# KiCad board 2 - CPU and core components (Rev 3).kicad_pcb (continued)
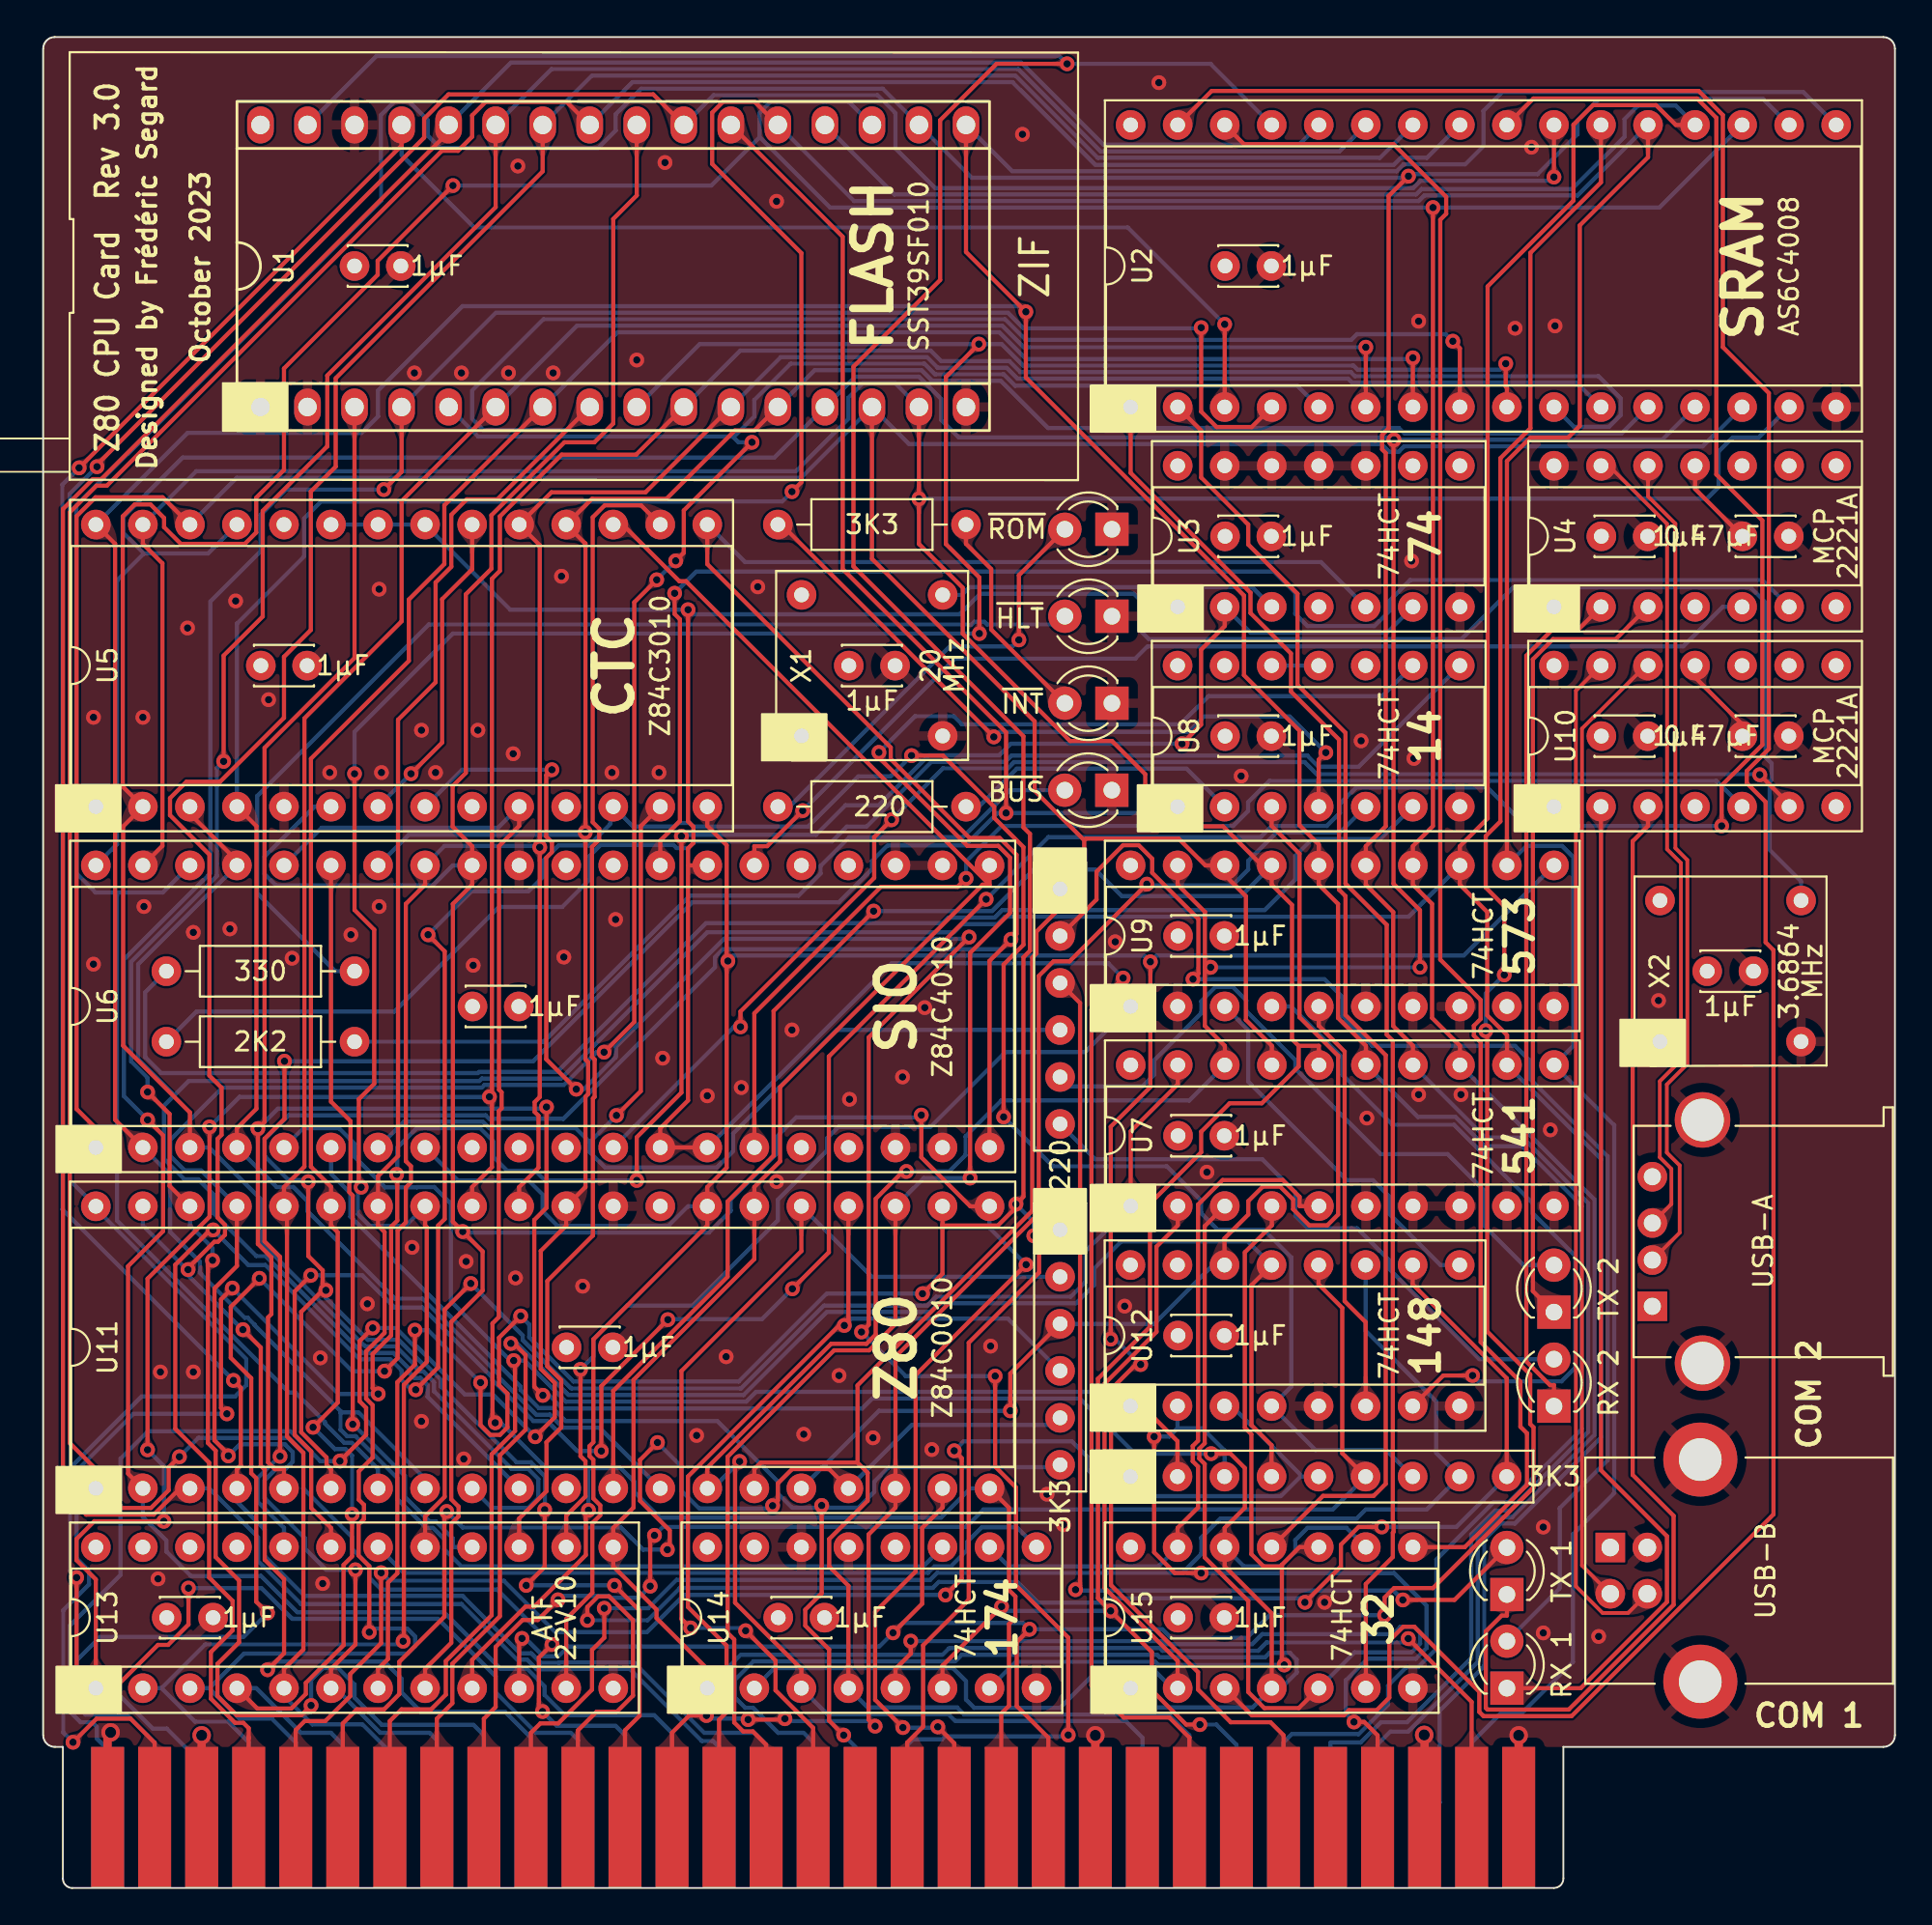
[diagram p0: board, top side]
## Routing (per net, layer and track width the routed paths; a pad name or vN(x,y) marks a point on that pad's centre or on a via; arc(x,y) is an arc through that point) (continued)
A15: length 209.1
  Top w0.225: v2(27.18,42.19) 27.18,36.75 26.52,36.09 26.52,27.08 v2(26.98,26.61) ; U11.5 13,22.63 12.51,22.63 12.15,22.99 12.15,30.83 12.32,31.01 12.32,34.07 11.6,34.8 v2(11.6,41.02) 11.96,41.38 11.96,61.59 16.81,66.45 U1.3 ; U15.4 66.34,14.84 63.8,17.38 U15.12 63.8,19.45 64.89,20.54 64.89,22.69 64.11,23.47 v2(63.07,23.47)
  Bottom w0.225: U15.12 64.84,17.38 66.81,17.38 67.61,18.18 67.61,18.8 68.27,19.45 70.39,19.45 U15.9 ; U15.1 59.76,9.76 65.31,9.76 U15.4 66.85,10.79 67.7,11.64 67.7,12.33 67.33,12.7 66.22,12.7 65.98,12.46 60.3,12.46 60.16,12.6 49.61,12.6 49.26,12.25 38.36,12.25 37.35,11.24 37.35,10.3 37.91,9.74 38.33,9.74 39.69,8.38 41.07,8.38 41.58,7.87 J3.16 ; v2(26.98,26.61) 27.32,26.61 28.04,25.9 44.23,25.9 44.77,26.44 55.98,26.44 58.96,23.47 v2(63.07,23.47) ; v2(11.6,41.02) 12.67,42.1 27.09,42.1 v2(27.18,42.19)
BA15: length 149.6
  Top w0.225: U15.3 65.27,9.33 70.24,9.33 70.52,9.61 72.02,9.61 72.69,10.29 72.69,13.36 73.45,14.11 74.04,14.11 77.55,10.6 77.55,9.51 77.78,9.29 82.54,9.29 93.44,20.19 93.44,50.67 93.01,51.09 93.01,58.67 92,59.69 92,60.35 93.19,61.54 93.19,80.76 90.71,83.25 90.71,95.78 89.4,97.09 63.1,97.09 U2.31
BA16: length 74.7
  Top w0.225: U15.6 71.42,16.42 72.88,17.88 72.88,19.2 72.93,19.24 72.93,19.77 72.88,19.81 72.88,45.77 72.55,46.1 72.55,52.03 70.33,54.26 70.33,62.41 67.74,65 67.74,69.92 65.07,72.58 65.07,73.66 62.53,76.2 62.53,78.74 U2.2
BA17: length 93.1
  Top w0.225: U15.8 76.77,18.41 80.13,21.77 80.13,24.57 79.77,24.92 79.77,27.35 77.63,29.5 77.63,45.69 77.26,46.05 77.26,46.58 77.63,46.95 77.63,47.97 75.45,50.15 75.45,90.13 75.76,90.45 75.76,91.36 72.92,94.21 64.84,94.21 U2.30
BA18: length 71.5
  Top w0.225: U2.1 58.72,76.45 65.2,69.98 65.2,68.88 67.38,66.69 67.38,64.63 69.98,62.04 69.98,53.94 70.33,53.59 70.33,47.16 72.5,44.99 72.5,21.84 71.85,21.19 69.11,21.19 U15.11
BUS_IEO: length 69.3
  Top w0.225: v2(42.04,20.67) 42.04,15.92 41.16,15.04 41.16,14.17 42.44,12.89 42.44,9.04 v2(43.23,8.25)
  Bottom w0.225: 42.04,20.54 40.45,20.54 39.68,21.32 39.68,21.95 36.41,25.22 28.22,25.22 27.51,25.93 26.77,25.93 25.78,26.91 25.78,27.08 16.58,36.28 16.58,37.54 15.54,38.58 U6.6 ; 42.04,20.54 v2(42.04,20.67) ; 42.04,20.54 44.03,20.54 44.88,21.4 44.88,21.94 45.67,22.73 54.79,22.73 RN2.6 ; J3.15 44.12,7.37 v2(43.23,8.25)
CLK: length 187.8
  Top w0.225: v2(14.32,38.16) 14.32,34.14 15.09,33.36 15.09,32.29 ; U11.6 15.54,22.63 15.3,22.87 15.3,23.26 13.94,24.62 13.94,31.13 15.09,32.29 ; J3.51 31.42,8.52 32.2,9.3 32.2,14.99 v2(30.85,16.35) ; v2(26.09,16.35) 27.08,17.35 v2(27.08,20.44) ; U6.20 51.1,50.09 v2(52.26,51.25) 52.57,51.55 52.57,55.81 51.65,56.73 50.03,56.73 45.77,60.98 45.77,61.62 35.86,71.52 U5.15 ; 15.09,32.29 v2(15.27,32.29)
  Bottom w0.225: v2(27.08,20.44) 27.1,20.45 27.1,22.24 26.34,23 25.56,23 21.46,27.1 21.46,27.47 20.66,28.28 20.53,28.28 19.19,29.62 17.53,29.62 15.27,31.88 v2(15.27,32.29) ; U5.15 35.88,73.66 37.9,71.63 69.01,71.63 U3.5 ; v2(14.32,38.16) 14.23,38.24 13.27,38.24 11.96,39.54 11.96,40.46 13.26,41.75 23.89,41.75 24.09,41.55 28.09,41.55 36.28,49.74 36.28,50.29 36.71,50.72 51.74,50.72 v2(52.26,51.25) ; v2(30.85,16.35) v2(26.09,16.35)
CLK2: length 210.5
  Top w0.225: U6.27 34.83,55.24 ; 34.83,55.24 34.83,42.54 33.32,41.04 U6.13 U6.14 ; 34.83,55.24 34.83,56.17 35.11,56.46 35.11,57.33 34.83,57.62 v2(34.83,69.06) ; J3.39 61.9,8.12 60.81,9.21 58.35,9.21 56.61,10.95 56.61,47.45 v2(58.32,49.16)
  Bottom w0.225: U5.23 U5.22 U5.21 25.22,69.06 v2(34.83,69.06) 35.08,68.81 49.48,68.81 50.6,69.92 58.91,69.92 59.36,69.47 59.36,67.82 59.71,67.47 76.59,67.47 79.39,70.27 92.19,70.27 93.01,69.45 93.01,61.09 93.34,60.76 93.34,59.88 93.23,59.78 93.23,56.09 94.93,54.39 X2.5 ; v2(58.32,49.16) 57.53,49.95 45.81,49.95 U6.14
CTC_IEI: length 62.1
  Top w0.225: U5.13 32.27,57.37 32.27,43.05 v2(30.96,41.74)
  Bottom w0.225: U6.7 19.48,41.4 23.75,41.4 24.1,41.04 28.76,41.04 29.51,40.29 ; 29.51,40.29 29.51,39.76 30.35,38.92 36.38,38.92 37.26,39.8 37.26,40.76 42.85,46.35 RN1.4 ; 29.51,40.29 v2(30.96,41.74)
CTCLK: length 116.7
  Top w0.225: v2(27.47,60.41) 27.17,60.11 27.17,56.8 27.47,56.5 27.47,55.96 27.17,55.66 27.17,44.78 v2(28.79,43.16) ; v2(50,51.38) 44.58,45.96 44.58,30.43 v2(44.19,30.04) ; v2(55.36,8.26) 55.36,13.53 52.53,16.35 52.53,21.64 51.41,22.77 v2(51.41,27.66)
  Bottom w0.225: v2(55.36,8.26) 55.28,8.19 48.7,8.19 48.54,8.03 46.97,8.03 46.66,7.72 J3.14 ; v2(28.79,43.16) 29.2,43.16 30.93,44.89 30.93,45.44 36.77,51.28 49.91,51.28 v2(50,51.38) ; U5.8 22.62,60.41 v2(27.47,60.41) ; v2(44.19,30.04) 46.57,27.66 v2(51.41,27.66)
D0: length 252.4
  Top w0.225: U9.19 61.26,54.21 62.74,52.73 62.74,49.74 ; U14.3 40.94,11.83 37.36,15.41 37.36,22.8 v2(37.61,23.04) ; 62.74,49.74 v2(63.05,49.74) ; 62.74,49.74 62.74,46.57 63.81,45.5 U7.18 ; U11.14 35.86,22.71 42.55,29.4 44.46,29.4 44.96,29.9 44.96,37.23 46.44,38.71 v2(46.62,38.71) ; v2(74.35,49.74) 74.35,52.82 72.92,54.25 72.92,78.21 v2(72.95,78.24)
  Bottom w0.225: v2(63.05,49.74) v2(74.35,49.74) ; U7.18 61.89,42.54 51.74,42.54 49.81,40.61 49.81,39.6 48.92,38.71 v2(46.62,38.71) ; U14.3 42.36,9.38 48.89,9.38 49.25,9.02 58.46,9.02 59.36,8.12 J3.9 ; U5.25 8.9,72.1 5.44,72.1 ; 5.44,72.1 4.32,73.22 4.32,74.07 7.54,77.28 39.49,77.28 U1.13 43.85,81.65 47.29,81.65 48.5,80.45 48.5,79.31 49.44,78.37 72.82,78.37 v2(72.95,78.24) 87.43,78.24 U2.13 ; 5.44,72.1 3.99,70.64 3.99,56.39 U6.40 ; U11.14 36.16,21.59 v2(37.61,23.04)
D1: length 262.2
  Top w0.225: U9.18 63.28,55.24 ; 63.28,55.24 64.95,53.58 64.95,46.9 66.35,45.5 U7.17 ; 63.28,55.24 62.77,55.24 61.32,56.69 56.31,56.69 56.22,56.6 ; U5.26 6.45,75.13 2.83,75.13 1.81,74.11 1.81,42.08 2.84,41.04 U6.1 ; 56.22,56.6 56.22,53.34 55.81,52.94 54.9,52.94 53.64,51.67 53.64,50.49 53.41,50.26 53.41,36.59 43.98,27.15 43.98,22.98 ; 56.22,56.6 53.54,59.28 53.54,63.02 44.75,71.81 U1.14 ; U14.4 43.48,16.33 42.45,17.37 42.45,18.85 44.52,20.93 44.52,22.43 43.98,22.98 ; 43.98,22.98 38.76,22.98 38.4,22.63 U11.15
  Bottom w0.225: U14.4 44.52,9.76 49.35,9.76 49.73,9.37 60.78,9.37 61.9,8.25 J3.8 ; U5.26 10.45,76.19 40.93,76.19 U1.14 46.75,78.01 72.26,78.01 72.68,77.6 73.21,77.6 73.5,77.89 89.62,77.89 U2.14
D2: length 288.3
  Top w0.225: v2(44.85,52.78) 39.44,47.38 39.44,39.57 36.96,37.09 36.96,33.03 30.78,26.85 U11.12 ; U14.6 48.56,12.01 v2(51.76,15.21) ; 66.34,54.73 66.34,54.21 67.44,53.11 67.44,45.86 67.8,45.5 ; 66.34,54.73 U9.17 ; 66.34,54.73 63.72,57.35 60.39,57.35 59.52,58.23 59.52,60.17 57.72,61.97 55.46,61.97 49.66,67.76 49.66,70.25 47.29,72.61 v2(47.29,75.05) U1.15 ; U6.39 6.44,56.3 6.44,71.57 5.38,72.62 U5.27 ; 67.8,45.5 68.89,45.5 U7.16 ; 67.8,45.5 67.8,44.38 65.81,42.39 64.07,42.39 62.53,40.86 62.53,39.75 59.77,36.98 59.77,30.32 56.96,27.51 56.96,15.65 v2(57.65,14.97) 59.87,12.74 59.87,10.68 61.73,8.83 v2(62.47,8.83)
  Bottom w0.225: J3.7 64.44,7.74 63.35,8.83 v2(62.47,8.83) ; U9.17 64.69,53.59 58.25,53.59 56.83,55.01 53.48,55.01 51.24,52.78 v2(44.85,52.78) ; v2(47.29,75.05) 89.83,75.05 90.47,75.69 90.47,77.6 91.24,78.36 92.63,78.36 U2.15 ; U1.15 46.01,81.3 44.26,81.3 43.48,80.52 43.48,79.38 40.65,76.54 8.27,76.54 U5.27 ; v2(51.76,15.21) 52,14.97 v2(57.65,14.97)
D3: length 322.9
  Top w0.225: U1.17 49.83,88.39 v2(53.07,85.15) 53.07,81.6 64.84,69.83 64.84,65.52 67.84,62.53 67.84,57.42 68.88,56.38 U9.16 68.88,54.21 69.92,53.17 69.92,47 71.43,45.5 U7.15 ; U5.28 3.88,72.62 3.88,41.51 U6.2
  Bottom w0.225: U6.2 6.86,38.53 6.86,35.44 8.46,33.84 8.46,33.24 10.9,30.8 11.05,30.8 11.43,30.43 11.43,30.4 16.06,25.77 16.06,25.69 ; v2(53.07,85.15) 52.76,85.46 22.65,85.46 18.08,80.9 18.08,79.5 17.2,78.61 7.8,78.61 U5.28 ; U7.15 74.23,41.66 76.27,41.66 77.85,40.08 79.86,40.08 83.08,36.86 83.08,24.78 79.13,20.83 78.32,20.83 75.24,17.75 75.24,12.92 74.25,11.93 73.63,11.93 72.63,10.93 72.63,9.9 71.04,8.31 67.43,8.31 66.98,7.86 J3.6 ; 16.06,25.69 16.06,24.76 16.41,24.41 16.87,24.41 19.12,22.15 19.12,21.01 20.68,19.45 21.06,19.45 21.66,18.85 21.66,18.29 22.58,17.37 47.52,17.37 U14.11 ; 16.06,25.69 17.03,25.69 20.62,22.1 U11.8 ; U2.17 95.05,97.02 78.79,97.02 77.77,96.01 77.77,94.11 76.79,93.12 73.46,93.12 73.09,92.75 52.34,92.75 U1.17
D4: length 282.8
  Top w0.225: U7.14 73.97,45.5 72.91,46.56 72.91,52.72 71.42,54.21 U9.15 71.42,56.28 72.5,57.36 72.5,77.52 72.31,77.72 72.31,78.5 72.66,78.85 72.66,91.41 v2(73.73,92.48)
  Bottom w0.225: 3.85,53.78 6.46,53.78 U6.38 ; 3.85,53.78 2.83,53.78 1.8,54.81 1.8,57.38 U5.1 1.79,59.47 1.79,74.7 18.25,91.16 18.25,95.79 18.96,96.5 19.77,96.5 20.77,95.5 20.77,94.68 21.43,94.01 29.98,94.01 30.92,94.95 30.92,95.83 32.3,97.21 45.34,97.21 U1.18 50.15,92.4 73.64,92.4 v2(73.73,92.48) 73.83,92.59 80.7,92.59 82.85,94.74 82.85,95.49 84.02,96.66 92.88,96.66 U2.18 ; 3.85,53.78 3.99,53.64 3.99,36.06 13.28,26.76 13.63,26.76 15.22,25.18 15.22,25.1 16.26,24.06 16.66,24.06 18.08,22.63 U11.7 ; J3.5 69.52,7.86 71.15,7.86 72.24,8.95 73.65,8.95 77.12,12.42 77.12,19.1 78.41,20.39 79.19,20.39 83.43,24.64 83.43,37 79.88,40.55 77.88,40.55 73.97,44.46 U7.14
D5: length 284.3
  Top w0.225: U6.3 7.92,41.9 4.32,45.5 4.32,57.36 U5.2 4.3,59.51 4.3,74.1 4.94,74.75 5.8,74.75 6.53,74.01 6.53,73.52 7.43,72.62 10.89,72.62 11.5,73.23 11.5,75.11 13,76.61 13,82.09 18.06,87.15 18.06,87.91 v2(22.13,91.98) ; v2(75.05,90.79) 75.05,57.37 73.96,56.28 U9.14 73.96,54.21 75,53.17 75,47 76.51,45.5 U7.13
  Bottom w0.225: U11.9 24.22,20.54 26.21,20.54 26.74,21.08 26.74,22.08 26.18,22.65 25.29,22.65 21.11,26.83 21.11,27.33 20.53,27.91 20.29,27.91 20.18,28.02 20.18,28.13 19.05,29.26 17.39,29.26 11.73,34.91 11.73,37.23 8.96,40 U6.3 ; 38.69,94.59 42.49,90.79 v2(75.05,90.79) 87.28,90.79 U2.19 ; 38.69,94.59 36.08,91.98 v2(22.13,91.98) ; 38.69,94.59 38.69,95.91 39.27,96.49 43.51,96.49 U1.19 ; 72.06,6.8 J3.4 72.06,7.75 72.75,8.45 73.71,8.45 77.47,12.21 77.47,18.95 78.55,20.04 79.33,20.04 83.78,24.49 83.78,37.19 U7.13
D6: length 286.1
  Top w0.225: U6.37 10.46,55.5 7.92,58.04 U5.3 ; U2.20 88.17,95.25 87.1,96.32 83.7,96.32 82.64,95.26 82.64,91.16 78,86.53 78,57.78 76.5,56.28 U9.13 76.5,54.21 77.98,52.73 77.98,47.14 79.05,46.07 U7.12
  Bottom w0.225: U11.10 20.76,26.54 20.76,27.18 20.38,27.56 20.03,27.56 19.81,27.78 19.81,28.01 18.9,28.91 17.24,28.91 12.01,34.14 11.51,34.14 9.19,36.46 9.19,37.47 8.37,38.29 7.62,38.29 6.52,39.39 6.52,42.26 7.08,42.82 ; U6.37 5.13,49.91 5.13,44.77 7.08,42.82 ; U1.20 45.97,91.49 74.14,91.49 74.43,91.79 82.57,91.79 85.39,94.62 85.39,95.56 86.14,96.3 88.15,96.3 U2.20 ; 7.08,42.82 7.86,43.6 23.55,43.6 23.69,43.73 27.96,43.73 35.86,51.63 49.2,51.63 49.64,52.07 51.53,52.07 51.93,52.47 73.73,52.47 U9.13 ; U7.12 84.14,39.37 84.14,24.35 79.48,19.69 78.7,19.69 77.82,18.81 77.82,11.99 75.42,9.59 75.42,4.63 J3.3
D7: length 277.7
  Top w0.225: v2(40.44,75.44) 40.94,75.95 40.94,88.33 36.13,93.14 36.13,95.92 36.71,96.5 38.43,96.5 U1.21 ; U9.12 79.04,77.09 80.31,78.36 82.35,78.36 82.98,78.99 82.98,89.82 86.66,93.51 U2.21 ; U6.4 10.46,41.04 11.52,42.1 11.52,57.37 U5.4
  Bottom w0.225: U11.13 30.05,24.87 28.07,24.87 27.37,25.57 26.62,25.57 24.61,27.58 24.61,27.72 20.49,31.84 18.99,31.84 14.27,36.56 14.27,37.11 13.51,37.87 12.6,37.87 U6.4 ; U5.4 10.46,68.31 14.1,71.94 14.1,73.99 15.02,74.91 39.91,74.91 v2(40.44,75.44) ; J3.2 77.14,7.86 78.73,9.45 79.85,9.45 82.61,12.21 82.61,19.11 84.84,21.34 84.84,41.21 U7.11 82.62,45.49 82.62,55.7 82.02,56.3 80.1,56.3 U9.12 ; U1.21 43.79,91.14 74.28,91.14 74.58,91.44 82.85,91.44 U2.21
MODE2: length 49.6
  Top w0.225: v2(29.02,28.02) 29.02,23.33 29.28,23.06 29.28,21.15 28.24,20.11 U13.14
  Bottom w0.225: U9.1 56.26,45.16 51.96,45.16 47.91,41.12 42.95,41.12 42.34,40.51 42.34,39.85 39.67,37.19 39.67,36.07 35.08,31.47 31.53,31.47 29.72,29.67 29.72,28.72 v2(29.02,28.02)
~{BANK_RD}: length 67.1
  Top w0.225: v2(23.09,32.66) 21.68,31.25 21.68,21.14 20.62,20.08 U13.17 ; U7.19 61.27,43.42 58.73,40.88 U7.1
  Bottom w0.225: U7.1 56.29,34.4 56.29,32.74 55.49,31.94 48.23,31.94 47.75,31.47 42.16,31.47 37.69,26.99 28.51,26.99 25.9,29.61 25.9,29.85 v2(23.09,32.66)
~{BANK_WR}: length 37.9
  Bottom w0.225: U13.18 19.48,17.02 47.78,17.02 48.13,17.37 49.02,17.37 49.91,18.26 49.91,18.7 50.69,19.49 52.57,19.49 U14.9
~{BUSAK}: length 102.6
  Top w0.225: J3.48 39.04,7.74 38.32,8.46 37.8,8.46 37.32,8.94 37.32,13.42 36.96,13.78 36.96,23.3 42.71,29.05 44.6,29.05 46.02,30.47 U11.23 ; v2(50.06,38.35) 50.06,50.52 52.21,52.68 52.21,55.67 51.58,56.3 49.91,56.3 45.13,61.08 v2(45.13,61.35)
  Bottom w0.225: U8.9 72.32,64.4 62.94,64.4 61.41,62.87 49.61,62.87 49.18,63.31 47.09,63.31 v2(45.13,61.35) ; U11.23 47.55,38.35 v2(50.06,38.35)
~{BUSRQ}: length 55.9
  Top w0.225: J3.47 41.58,8.65 39.55,10.68 39.55,12.28 v2(37.93,13.9) ; U11.25 40.94,34.41 34.47,27.93 34.47,14.54 v2(34.97,14.05)
  Bottom w0.225: v2(34.97,14.05) 37.79,14.05 v2(37.93,13.9) ; U11.25 44.75,33.02 RN2.2
~{CLK}: length 149.5
  Top w0.225: U3.2 63.8,68.18 62.53,66.9 62.53,62.85 v2(61.5,61.82) ; v2(19.09,38.56) 19.12,38.52 19.12,36.06 18.79,35.72 18.79,29.84 17.79,28.85 17.79,26.99 v2(18.09,26.69) ; v2(32.05,38.23) 32.05,40.56 34.47,42.97 v2(34.47,56.82) ; v2(10.22,32.41) 9.6,31.8 9.6,25.94 v2(9.92,25.62) ; v2(1.61,7.87) 2.88,9.15 4.72,9.15 6.02,7.84 J3.61
  Bottom w0.225: v2(9.92,25.62) 4.87,25.62 1.81,22.55 1.81,17.82 2.48,17.15 2.48,16.4 1.09,15.01 1.09,8.4 v2(1.61,7.87) ; v2(61.5,61.82) 52.25,61.82 51.63,61.19 47.82,61.19 45.13,58.5 43.33,58.5 41.73,56.9 34.54,56.9 v2(34.47,56.82) ; U3.6 72.57,67.82 65.2,67.82 U3.2 ; v2(19.09,38.56) 19.12,38.6 19.12,40 20.16,41.04 23.6,41.04 24.31,40.34 24.31,39.5 25.06,38.75 26.57,38.75 27.09,38.23 v2(32.05,38.23) ; v2(18.09,26.69) 15.94,26.69 v2(10.22,32.41)
~{CTC_CS}: length 62.7
  Top w0.225: U13.15 25.7,19.96 27.18,21.44 27.18,24.08 27.98,24.88 27.98,27.43 27.23,28.18 27.23,32.79 29.69,35.25 29.69,42.65 29.78,42.75 29.78,44.76 29.64,44.9 29.64,56.24 30.03,56.63 30.03,57.23 29.68,57.58 29.68,74.05 30.32,74.7 32.29,74.7 U5.16
~{HALT}: length 82.5
  Top w0.225: J3.50 33.96,8.39 34.89,9.32 v2(35.82,9.32) ; v2(44.93,8.74) 44.58,9.09 44.58,19.1 46.02,20.55 U11.18 46.02,28.7 53.76,36.44 53.76,49.27 54.56,50.06 55.43,50.06 v2(59.6,54.23) ; v2(40.06,9.14) 40.01,9.1 v2(38.07,9.1)
  Bottom w0.225: v2(35.82,9.32) 35.99,9.14 38.02,9.14 v2(38.07,9.1) ; U8.5 70.03,57.03 66.6,57.03 65.07,55.5 65.07,55.02 64.22,54.17 59.66,54.17 v2(59.6,54.23) ; v2(40.06,9.14) 40.18,9.02 44.65,9.02 v2(44.93,8.74)
~{INT}: length 63.1
  Top w0.225: v2(52.23,25.78) 52.23,27.79 RN2.3 ; U8.3 66.34,57.38 67.84,55.88 67.84,47.04 69.93,44.96 69.93,36.38 69.34,35.8 68.37,35.8 67.5,36.68 67.5,37.19 66.8,37.89 65.87,37.89 65.08,37.11 65.08,36.38 63.79,35.1 U12.14
  Bottom w0.225: v2(52.23,25.78) 45.14,25.78 U11.16 ; U12.14 63.17,33.65 59.99,30.48 RN2.3
~{IORQ}: length 111.3
  Top w0.225: v2(29.45,20.41) 29.3,20.27 29.3,17.99 26.52,15.2 26.04,15.2 23.16,12.32 U13.9 ; v2(24.41,25.13) 24.26,25.28 24.26,30.5 24.6,30.84 24.6,41.97 24.76,42.12 24.76,42.99 24.62,43.13 24.62,56.29 25.7,57.38 U5.10 ; U11.20 52.16,20.54 52.16,16.09 52.5,15.75 52.5,14.6 52.16,14.26 52.16,9.84 51.74,9.43 J3.43
  Bottom w0.225: 29.45,22.68 27.16,22.68 24.71,25.13 v2(24.41,25.13) ; 29.45,22.68 31.2,22.68 31.93,21.94 31.93,21.39 33.3,20.01 48.49,20.01 50.07,21.59 U11.20 ; 29.45,22.68 v2(29.45,20.41) ; U5.10 24.56,57.28 15.04,57.28 U6.36
~{IRQ}0: length 168.4
  Top w0.225: v2(51.87,41.66) 51.87,49.89 52.94,50.96 52.94,56.23 51.36,57.81 51.36,58.41 48.59,61.18 v2(46.89,61.18) ; v2(20.79,51.5) 21.68,50.6 21.68,36.14 21.33,35.79 21.33,28.13 v2(20.12,26.92) ; 11.1,8.07 11.1,8.63 10.81,8.92 10.36,8.92 9.06,10.23 9.06,12.75 10.23,13.92 10.23,15.51 8.96,16.77 8.96,22.98 7.14,24.81 7.14,33.67 9.02,35.55 v2(9.18,35.55) ; 11.1,8.07 11.1,8.19 ; 11.1,8.07 J3.59
  Bottom w0.225: v2(20.12,26.92) 19.89,26.92 19.35,27.46 19.35,27.96 18.76,28.56 17.09,28.56 11.99,33.66 11.07,33.66 v2(9.18,35.55) ; RN3.7 72.52,23.66 68.71,23.66 U12.4 66.34,26.03 67.4,27.09 67.4,34.07 65.91,35.56 63.42,35.56 62.54,36.44 62.54,37.13 60.68,38.99 54.53,38.99 v2(51.87,41.66) ; v2(46.89,61.18) 45.77,60.05 44.01,60.05 41.3,57.34 35.11,57.34 34.91,57.54 34.28,57.54 34.08,57.34 31.86,57.34 U5.12 ; 30.64,58.42 30.64,57.49 29.46,56.32 27.83,56.32 26.97,55.46 26.97,54.61 26.21,53.85 23.13,53.85 v2(20.79,51.5)
~{IRQ}1: length 84.4
  Top w0.225: v2(49.2,23.62) 49.6,23.22 49.6,16.71 v2(48.73,15.83) ; v2(18.25,17.03) 18.25,13.23 16.58,11.56 16.58,10.36 15.24,9.02 14.12,9.02 13.64,8.53 J3.58
  Bottom w0.225: RN3.5 67.89,22.22 ; 67.89,22.22 66.84,21.17 57.83,21.17 56.38,22.62 56.38,23.3 55.55,24.13 49.71,24.13 v2(49.2,23.62) ; 67.89,22.22 67.89,22.33 64.19,26.03 U12.3 ; v2(48.73,15.83) 34.61,15.83 32.6,13.82 27.66,13.82 24.88,16.6 18.68,16.6 v2(18.25,17.03)
~{IRQ}2: length 45.1
  Top w0.225: v2(62.53,17.02) 61.11,17.02 59.99,18.14 v2(59.99,24.38) ; J3.35 72.06,8.25 71.34,8.97 v2(70.79,8.97)
  Bottom w0.225: U12.2 61.25,24.84 ; 61.25,24.84 62.61,24.84 63.79,23.65 RN3.3 ; 61.25,24.84 60.8,24.38 v2(59.99,24.38) ; v2(62.53,17.02) 72.95,17.02 74.71,15.26 74.71,12.97 74.13,12.38 71.51,12.38 70.34,11.21 70.34,9.41 v2(70.79,8.97)
~{IRQ}3: length 90
  Top w0.225: RN3.2 61.25,24.14 59.36,26.03 U12.1 ; v2(25.41,28.49) 25.48,28.42 25.48,24.69 24.22,23.43 24.22,14.73 21.74,12.26 21.74,10.44 20.95,9.65 19.35,9.65 18.72,9.02 J3.56
  Bottom w0.225: U12.1 57.68,26.03 56.91,26.8 38.5,26.8 37.97,26.28 28.23,26.28 26.01,28.49 v2(25.41,28.49) 25.23,28.49 22.02,31.7 22.02,36.98 21.13,37.87 20.19,37.87 20.17,37.85 18.47,37.85 16.81,39.5 16.81,40.21 15.98,41.04 14.04,41.04 U6.5
